# Altium PCB Slave.PcbDoc (part 3 of 11)
Units mm, origin at the board's own origin, x right, y up, seen from the top; angles counter-clockwise.
Board outline 380 x 63 mm, 4 copper layers (Top Copper, Signal Layer 1, Signal Layer 2, Bottom Copper), stack 1.586 mm thick; 256 components, 191 nets, 731 pads, 24161 vias.
Unrouted connection lines stored in the file: 14.
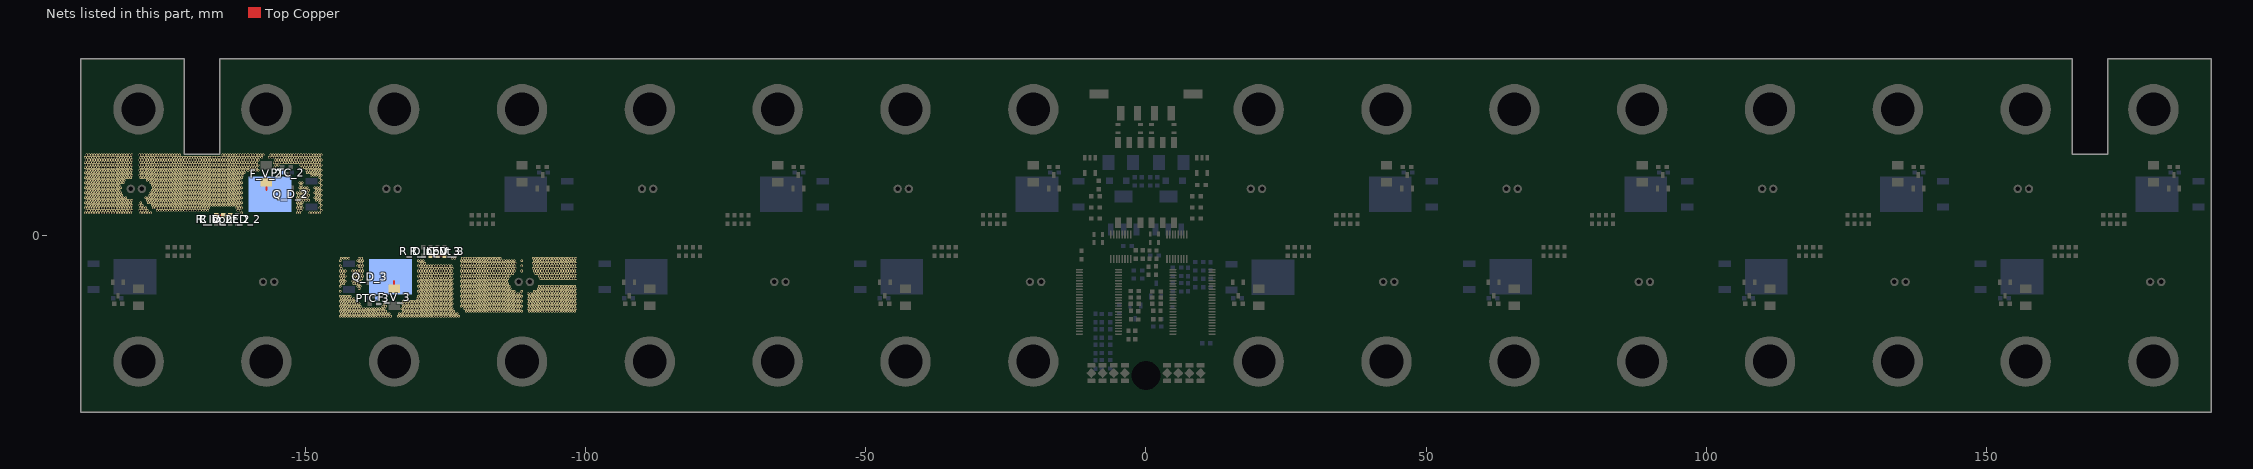
[diagram p5: the nets of this part, all layers, seen from the top]

## Via types
v1: diameter 0.45, hole 0.297, Top Copper to Bottom Copper, tented both sides, 23326 vias
v2: diameter 1, hole 0.7, Top Copper to Bottom Copper, 576 vias
v3: diameter 0.45, hole 0.2, Top Copper to Bottom Copper, 259 vias

## Nets (pads, with @x,y where several pads share a name; then routed paths per layer and width w, separated by ;. In a path a pad name is that pad's centre, name@x,y a point inside that pad or via, vN(x,y) a via of type N, cw(c..) or ccw(c..) an arc to the next point about the centre after c; other vN are vias at no path point) (continued)
F_2: C_V_2.2 F_V_2.2 PTC_2.2 Q_D_2.2 R_D_LED_2.2 R_Input_2.1 | length 3.9
  Top Copper w0.254: C_V_2.2@-165.85,3.6 R_Input_2.1@-164.6,3.6 R_D_LED_2.2@-163.35,3.6
  Top Copper w0.305: -156.875,8.1 F_V_2.2@-156.875,9.48
  other v1: -189.2,4 -188.75,4 -188.3,4 -187.85,4 -187.4,4 -186.95,4 -186.5,4 -186.05,4 -185.6,4 -185.15,4 -184.7,4 -184.25,4 -183.8,4 -183.35,4 -182.9,4 -182.45,4 -182,4 -181.55,4 -181.1,4 -179.3,4 -178.85,4 -178.4,4 -177.95,4 -177.5,4 -161.3,4 -151.4,4 -150.95,4 -149.15,4 -148.7,4 -148.25,4 -147.8,4 -147.35,4 -188.975,4.45 -188.525,4.45 -188.075,4.45 -187.625,4.45 -187.175,4.45 -186.725,4.45 -186.275,4.45 -185.825,4.45 -185.375,4.45 -184.925,4.45 -184.475,4.45 -184.025,4.45 -183.575,4.45 -183.125,4.45 -182.675,4.45 -182.225,4.45 -181.775,4.45 -181.325,4.45 -180.875,4.45 -179.525,4.45 -179.075,4.45 -178.625,4.45 -178.175,4.45 -176.375,4.45 -175.925,4.45 -175.475,4.45 -175.025,4.45 -174.575,4.45 -174.125,4.45 -173.675,4.45 -173.225,4.45 -172.775,4.45 -172.325,4.45 -171.875,4.45 -171.425,4.45 -170.975,4.45 -170.525,4.45 -170.075,4.45 -169.625,4.45 -169.175,4.45 -168.725,4.45 -168.275,4.45 -167.825,4.45 -167.375,4.45 -161.975,4.45 -161.525,4.45 -151.175,4.45 -150.725,4.45 -147.125,4.45 -189.2,4.9 -188.75,4.9 -188.3,4.9 -187.85,4.9 -187.4,4.9 -186.95,4.9 -186.5,4.9 -186.05,4.9 -185.6,4.9 -185.15,4.9 -184.7,4.9 -184.25,4.9 -183.8,4.9 -183.35,4.9 -182.9,4.9 -182.45,4.9 -182,4.9 -181.55,4.9 -181.1,4.9 -179.3,4.9 -178.85,4.9 -178.4,4.9 -177.05,4.9 -176.6,4.9 -176.15,4.9 -175.7,4.9 -175.25,4.9 -174.8,4.9 -174.35,4.9 -173.9,4.9 -173.45,4.9 -173,4.9 -172.55,4.9 -172.1,4.9 -171.65,4.9 -171.2,4.9 -170.75,4.9 -170.3,4.9 -169.85,4.9 -169.4,4.9 -168.95,4.9 -168.5,4.9 -168.05,4.9 -167.6,4.9 -167.15,4.9 -162.2,4.9 -161.75,4.9 -161.3,4.9 -151.4,4.9 -150.95,4.9 -150.5,4.9 -147.35,4.9 -188.975,5.35 -188.525,5.35 -188.075,5.35 -187.625,5.35 -187.175,5.35 -186.725,5.35 -186.275,5.35 -185.825,5.35 -185.375,5.35 -184.925,5.35 -184.475,5.35 -184.025,5.35 -183.575,5.35 -183.125,5.35 -182.675,5.35 -182.225,5.35 -181.775,5.35 -181.325,5.35 -180.875,5.35 -179.525,5.35 -179.075,5.35 -177.275,5.35 -176.825,5.35 -176.375,5.35 -175.925,5.35 -175.475,5.35 -175.025,5.35 -174.575,5.35 -174.125,5.35 -173.675,5.35 -173.225,5.35 -172.775,5.35 -172.325,5.35 -171.875,5.35 -171.425,5.35 -170.975,5.35 -170.525,5.35 -170.075,5.35 -169.625,5.35 -169.175,5.35 -168.725,5.35 -168.275,5.35 -167.825,5.35 -167.375,5.35 -166.925,5.35 -166.475,5.35 -166.025,5.35 -165.575,5.35 -165.125,5.35 -164.675,5.35 -164.225,5.35 -163.775,5.35 -163.325,5.35 -162.875,5.35 -162.425,5.35 -161.975,5.35 -161.525,5.35 -151.175,5.35 -150.725,5.35 -147.125,5.35 -189.2,5.8 -188.75,5.8 -188.3,5.8 -187.85,5.8 -187.4,5.8 -186.95,5.8 -186.5,5.8 -186.05,5.8 -185.6,5.8 -185.15,5.8 -184.7,5.8 -184.25,5.8 -183.8,5.8 -183.35,5.8 -182.9,5.8 -182.45,5.8 -182,5.8 -181.55,5.8 -181.1,5.8 -179.3,5.8 -177.95,5.8 -177.5,5.8 -177.05,5.8 -176.6,5.8 -176.15,5.8 -175.7,5.8 -175.25,5.8 -174.8,5.8 -174.35,5.8 -173.9,5.8 -173.45,5.8 -173,5.8 -172.55,5.8 -172.1,5.8 -171.65,5.8 -171.2,5.8 -170.75,5.8 -170.3,5.8 -169.85,5.8 -169.4,5.8 -168.95,5.8 -168.5,5.8 -168.05,5.8 -167.6,5.8 -167.15,5.8 -166.7,5.8 -166.25,5.8 -165.8,5.8 -165.35,5.8 -164.9,5.8 -164.45,5.8 -164,5.8 -163.55,5.8 -163.1,5.8 -162.65,5.8 -162.2,5.8 -161.75,5.8 -161.3,5.8 -151.4,5.8 -150.95,5.8 -150.5,5.8 -147.35,5.8 -188.975,6.25 -188.525,6.25 -188.075,6.25 -187.625,6.25 -187.175,6.25 -186.725,6.25 -186.275,6.25 -185.825,6.25 -185.375,6.25 -184.925,6.25 -184.475,6.25 -184.025,6.25 -183.575,6.25 -183.125,6.25 -182.675,6.25 -182.225,6.25 -181.775,6.25 -181.325,6.25 -180.875,6.25 -178.175,6.25 -177.725,6.25 -177.275,6.25 -176.825,6.25 -176.375,6.25 -175.925,6.25 -175.475,6.25 -175.025,6.25 -174.575,6.25 -174.125,6.25 -173.675,6.25 -173.225,6.25 -172.775,6.25 -172.325,6.25 -171.875,6.25 -171.425,6.25 -170.975,6.25 -170.525,6.25 -170.075,6.25 -169.625,6.25 -169.175,6.25 -168.725,6.25 -168.275,6.25 -167.825,6.25 -167.375,6.25 -166.925,6.25 -166.475,6.25 -166.025,6.25 -165.575,6.25 -165.125,6.25 -164.675,6.25 -164.225,6.25 -163.775,6.25 -163.325,6.25 -162.875,6.25 -162.425,6.25 -161.975,6.25 -161.525,6.25 -151.175,6.25 -150.725,6.25 -150.275,6.25 -149.825,6.25 -149.375,6.25 -148.025,6.25 -147.575,6.25 -147.125,6.25 -189.2,6.7 -188.75,6.7 -188.3,6.7 -187.85,6.7 -187.4,6.7 -186.95,6.7 -186.5,6.7 -186.05,6.7 -185.6,6.7 -185.15,6.7 -184.7,6.7 -184.25,6.7 -183.8,6.7 -183.35,6.7 -182.9,6.7 -182.45,6.7 -182,6.7 -178.4,6.7 -177.95,6.7 -177.5,6.7 -177.05,6.7 -176.6,6.7 -176.15,6.7 -175.7,6.7 -175.25,6.7 -174.8,6.7 -174.35,6.7 -173.9,6.7 -173.45,6.7 -173,6.7 -172.55,6.7 -172.1,6.7 -171.65,6.7 -171.2,6.7 -170.75,6.7 -170.3,6.7 -169.85,6.7 -169.4,6.7 -168.95,6.7 -168.5,6.7 -168.05,6.7 -167.6,6.7 -167.15,6.7 -166.7,6.7 -166.25,6.7 -165.8,6.7 -165.35,6.7 -164.9,6.7 -164.45,6.7 -164,6.7 -163.55,6.7 -163.1,6.7 -162.65,6.7 -162.2,6.7 -161.75,6.7 -161.3,6.7 -151.4,6.7 -150.95,6.7 -150.5,6.7 -150.05,6.7 -149.6,6.7 -148.25,6.7 -147.8,6.7 -147.35,6.7 -188.975,7.15 -188.525,7.15 -188.075,7.15 -187.625,7.15 -187.175,7.15 -186.725,7.15 -186.275,7.15 -185.825,7.15 -185.375,7.15 -184.925,7.15 -184.475,7.15 -184.025,7.15 -183.575,7.15 -183.125,7.15 -182.675,7.15 -177.725,7.15 -177.275,7.15 -176.825,7.15 -176.375,7.15 -175.925,7.15 -175.475,7.15 -175.025,7.15 -174.575,7.15 -174.125,7.15 -173.675,7.15 -173.225,7.15 -172.775,7.15 -172.325,7.15 -171.875,7.15 -171.425,7.15 -170.975,7.15 -170.525,7.15 -170.075,7.15 -169.625,7.15 -169.175,7.15 -168.725,7.15 -168.275,7.15 -167.825,7.15 -167.375,7.15 -166.925,7.15 -166.475,7.15 -166.025,7.15 -165.575,7.15 -165.125,7.15 -164.675,7.15 -164.225,7.15 -163.775,7.15 -163.325,7.15 -162.875,7.15 -162.425,7.15 -161.975,7.15 -161.525,7.15 -151.175,7.15 -150.725,7.15 -150.275,7.15 -149.825,7.15 -149.375,7.15 -148.025,7.15 -147.575,7.15 -147.125,7.15 -189.2,7.6 -188.75,7.6 -188.3,7.6 -187.85,7.6 -187.4,7.6 -186.95,7.6 -186.5,7.6 -186.05,7.6 -185.6,7.6 -185.15,7.6 -184.7,7.6 -184.25,7.6 -183.8,7.6 -183.35,7.6 -182.9,7.6 -177.5,7.6 -177.05,7.6 -176.6,7.6 -176.15,7.6 -175.7,7.6 -175.25,7.6 -174.8,7.6 -174.35,7.6 -173.9,7.6 -173.45,7.6 -173,7.6 -172.55,7.6 -172.1,7.6 -171.65,7.6 -171.2,7.6 -170.75,7.6 -170.3,7.6 -169.85,7.6 -169.4,7.6 -168.95,7.6 -168.5,7.6 -168.05,7.6 -167.6,7.6 -167.15,7.6 -166.7,7.6 -166.25,7.6 -165.8,7.6 -165.35,7.6 -164.9,7.6 -164.45,7.6 -164,7.6 -163.55,7.6 -163.1,7.6 -162.65,7.6 -162.2,7.6 -161.75,7.6 -161.3,7.6 -151.4,7.6 -150.95,7.6 -150.5,7.6 -150.05,7.6 -149.6,7.6 -148.25,7.6 -147.8,7.6 -147.35,7.6 -188.975,8.05 -188.525,8.05 -188.075,8.05 -187.625,8.05 -187.175,8.05 -186.725,8.05 -186.275,8.05 -185.825,8.05 -185.375,8.05 -184.925,8.05 -184.475,8.05 -184.025,8.05 -183.575,8.05 -183.125,8.05 -177.275,8.05 -176.825,8.05 -176.375,8.05 -175.925,8.05 -175.475,8.05 -175.025,8.05 -174.575,8.05 -174.125,8.05 -173.675,8.05 -173.225,8.05 -172.775,8.05 -172.325,8.05 -171.875,8.05 -171.425,8.05 -170.975,8.05 -170.525,8.05 -170.075,8.05 -169.625,8.05 -169.175,8.05 -168.725,8.05 -168.275,8.05 -167.825,8.05 -167.375,8.05 -166.925,8.05 -166.475,8.05 -166.025,8.05 -165.575,8.05 -165.125,8.05 -164.675,8.05 -164.225,8.05 -163.775,8.05 -163.325,8.05 -162.875,8.05 -162.425,8.05 -161.975,8.05 -161.525,8.05 -150.725,8.05 -150.275,8.05 -149.825,8.05 -149.375,8.05 -148.025,8.05 -147.575,8.05 -147.125,8.05 -189.2,8.5 -188.75,8.5 -188.3,8.5 -187.85,8.5 -187.4,8.5 -186.95,8.5 -186.5,8.5 -186.05,8.5 -185.6,8.5 -185.15,8.5 -184.7,8.5 -184.25,8.5 -183.8,8.5 -183.35,8.5 -182.9,8.5 -177.05,8.5 -176.6,8.5 -176.15,8.5 -175.7,8.5 -175.25,8.5 -174.8,8.5 -174.35,8.5 -173.9,8.5 -173.45,8.5 -173,8.5 -172.55,8.5 -172.1,8.5 -171.65,8.5 -171.2,8.5 -170.75,8.5 -170.3,8.5 -169.85,8.5 -169.4,8.5 -168.95,8.5 -168.5,8.5 -168.05,8.5 -167.6,8.5 -167.15,8.5 -166.7,8.5 -166.25,8.5 -165.8,8.5 -165.35,8.5 -164.9,8.5 -164.45,8.5 -164,8.5 -163.55,8.5 -163.1,8.5 -162.65,8.5 -162.2,8.5 -161.75,8.5 -161.3,8.5 -150.95,8.5 -150.5,8.5 -150.05,8.5 -149.6,8.5 -148.25,8.5 -147.8,8.5 -147.35,8.5 -188.975,8.95 -188.525,8.95 -188.075,8.95 -187.625,8.95 -187.175,8.95 -186.725,8.95 -186.275,8.95 -185.825,8.95 -185.375,8.95 -184.925,8.95 -184.475,8.95 -184.025,8.95 -183.575,8.95 -183.125,8.95 -177.275,8.95 -176.825,8.95 -176.375,8.95 -175.925,8.95 -175.475,8.95 -175.025,8.95 -174.575,8.95 -174.125,8.95 -173.675,8.95 -173.225,8.95 -172.775,8.95 -172.325,8.95 -171.875,8.95 -171.425,8.95 -170.975,8.95 -170.525,8.95 -170.075,8.95 -169.625,8.95 -169.175,8.95 -168.725,8.95 -168.275,8.95 -167.825,8.95 -167.375,8.95 -166.925,8.95 -166.475,8.95 -166.025,8.95 -165.575,8.95 -165.125,8.95 -164.675,8.95 -164.225,8.95 -163.775,8.95 -163.325,8.95 -162.875,8.95 -162.425,8.95 -161.975,8.95 -161.525,8.95 -150.725,8.95 -147.125,8.95 -189.2,9.4 -188.75,9.4 -188.3,9.4 -187.85,9.4 -187.4,9.4 -186.95,9.4 -186.5,9.4 -186.05,9.4 -185.6,9.4 -185.15,9.4 -184.7,9.4 -184.25,9.4 -183.8,9.4 -183.35,9.4 -182.9,9.4 -182.45,9.4 -177.5,9.4 -177.05,9.4 -176.6,9.4 -176.15,9.4 -175.7,9.4 -175.25,9.4 -174.8,9.4 -174.35,9.4 -173.9,9.4 -173.45,9.4 -173,9.4 -172.55,9.4 -172.1,9.4 -171.65,9.4 -171.2,9.4 -170.75,9.4 -170.3,9.4 -169.85,9.4 -169.4,9.4 -168.95,9.4 -168.5,9.4 -168.05,9.4 -167.6,9.4 -167.15,9.4 -166.7,9.4 -166.25,9.4 -165.8,9.4 -165.35,9.4 -164.9,9.4 -164.45,9.4 -164,9.4 -163.55,9.4 -163.1,9.4 -162.65,9.4 -162.2,9.4 -161.75,9.4 -161.3,9.4 -150.95,9.4 -150.5,9.4 -147.35,9.4 -188.975,9.85 -188.525,9.85 -188.075,9.85 -187.625,9.85 -187.175,9.85 -186.725,9.85 -186.275,9.85 -185.825,9.85 -185.375,9.85 -184.925,9.85 -184.475,9.85 -184.025,9.85 -183.575,9.85 -183.125,9.85 -182.675,9.85 -182.225,9.85 -178.175,9.85 -177.725,9.85 -177.275,9.85 -176.825,9.85 -176.375,9.85 -175.925,9.85 -175.475,9.85 -175.025,9.85 -174.575,9.85 -174.125,9.85 -173.675,9.85 -173.225,9.85 -172.775,9.85 -172.325,9.85 -171.875,9.85 -171.425,9.85 -170.975,9.85 -170.525,9.85 -170.075,9.85 -169.625,9.85 -169.175,9.85 -168.725,9.85 -168.275,9.85 -167.825,9.85 -167.375,9.85 -166.925,9.85 -166.475,9.85 -166.025,9.85 -165.575,9.85 -165.125,9.85 -164.675,9.85 -164.225,9.85 -163.775,9.85 -163.325,9.85 -162.875,9.85 -162.425,9.85 -161.975,9.85 -161.525,9.85 -147.125,9.85 -189.2,10.3 -188.75,10.3 -188.3,10.3 -187.85,10.3 -187.4,10.3 -186.95,10.3 -186.5,10.3 -186.05,10.3 -185.6,10.3 -185.15,10.3 -184.7,10.3 -184.25,10.3 -183.8,10.3 -183.35,10.3 -182.9,10.3 -182.45,10.3 -182,10.3 -181.55,10.3 -181.1,10.3 -179.3,10.3 -178.85,10.3 -178.4,10.3 -177.95,10.3 -177.5,10.3 -177.05,10.3 -176.6,10.3 -176.15,10.3 -175.7,10.3 -175.25,10.3 -174.8,10.3 -174.35,10.3 -173.9,10.3 -173.45,10.3 -173,10.3 -172.55,10.3 -172.1,10.3 -171.65,10.3 -171.2,10.3 -170.75,10.3 -170.3,10.3 -169.85,10.3 -169.4,10.3 -168.95,10.3 -168.5,10.3 -168.05,10.3 -167.6,10.3 -167.15,10.3 -166.7,10.3 -166.25,10.3 -165.8,10.3 -165.35,10.3 -164.9,10.3 -164.45,10.3 -164,10.3 -163.55,10.3 -163.1,10.3 -162.65,10.3 -162.2,10.3 -161.75,10.3 -161.3,10.3 -147.35,10.3 -188.975,10.75 -188.525,10.75 -188.075,10.75 -187.625,10.75 -187.175,10.75 -186.725,10.75 -186.275,10.75 -185.825,10.75 -185.375,10.75 -184.925,10.75 -184.475,10.75 -184.025,10.75 -183.575,10.75 -183.125,10.75 -182.675,10.75 -182.225,10.75 -181.775,10.75 -181.325,10.75 -180.875,10.75 -179.525,10.75 -179.075,10.75 -178.625,10.75 -178.175,10.75 -177.725,10.75 -177.275,10.75 -176.825,10.75 -176.375,10.75 -175.925,10.75 -175.475,10.75 -175.025,10.75 -174.575,10.75 -174.125,10.75 -173.675,10.75 -173.225,10.75 -172.775,10.75 -172.325,10.75 -171.875,10.75 -171.425,10.75 -170.975,10.75 -170.525,10.75 -170.075,10.75 -169.625,10.75 -169.175,10.75 -168.725,10.75 -168.275,10.75 -167.825,10.75 -167.375,10.75 -166.925,10.75 -166.475,10.75 -166.025,10.75 -165.575,10.75 -165.125,10.75 -164.675,10.75 -164.225,10.75 -163.775,10.75 -163.325,10.75 -162.875,10.75 -162.425,10.75 -161.975,10.75 -161.525,10.75 -161.075,10.75 -148.925,10.75 -148.475,10.75 -148.025,10.75 -147.575,10.75 -147.125,10.75 -189.2,11.2 -188.75,11.2 -188.3,11.2 -187.85,11.2 -187.4,11.2 -186.95,11.2 -186.5,11.2 -186.05,11.2 -185.6,11.2 -185.15,11.2 -184.7,11.2 -184.25,11.2 -183.8,11.2 -183.35,11.2 -182.9,11.2 -182.45,11.2 -182,11.2 -181.55,11.2 -181.1,11.2 -179.3,11.2 -178.85,11.2 -178.4,11.2 -177.95,11.2 -177.5,11.2 -177.05,11.2 -176.6,11.2 -176.15,11.2 -175.7,11.2 -175.25,11.2 -174.8,11.2 -174.35,11.2 -173.9,11.2 -173.45,11.2 -173,11.2 -172.55,11.2 -172.1,11.2 -171.65,11.2 -171.2,11.2 -170.75,11.2 -170.3,11.2 -169.85,11.2 -169.4,11.2 -168.95,11.2 -168.5,11.2 -168.05,11.2 -167.6,11.2 -167.15,11.2 -166.7,11.2 -166.25,11.2 -165.8,11.2 -165.35,11.2 -164.9,11.2 -164.45,11.2 -164,11.2 -163.55,11.2 -163.1,11.2 -162.65,11.2 -162.2,11.2 -161.75,11.2 -161.3,11.2 -160.85,11.2 -149.6,11.2 -149.15,11.2 -148.7,11.2 -148.25,11.2 -147.8,11.2 -147.35,11.2 -188.975,11.65 -188.525,11.65 -188.075,11.65 -187.625,11.65 -187.175,11.65 -186.725,11.65 -186.275,11.65 -185.825,11.65 -185.375,11.65 -184.925,11.65 -184.475,11.65 -184.025,11.65 -183.575,11.65 -183.125,11.65 -182.675,11.65 -182.225,11.65 -181.775,11.65 -181.325,11.65 -180.875,11.65 -179.525,11.65 -179.075,11.65 -178.625,11.65 -178.175,11.65 -177.725,11.65 -177.275,11.65 -176.825,11.65 -176.375,11.65 -175.925,11.65 -175.475,11.65 -175.025,11.65 -174.575,11.65 -174.125,11.65 -173.675,11.65 -173.225,11.65 -172.775,11.65 -172.325,11.65 -171.875,11.65 -171.425,11.65 -170.975,11.65 -170.525,11.65 -170.075,11.65 -169.625,11.65 -169.175,11.65 -168.725,11.65 -168.275,11.65 -167.825,11.65 -167.375,11.65 -166.925,11.65 -166.475,11.65 -166.025,11.65 -165.575,11.65 -165.125,11.65 -164.675,11.65 -164.225,11.65 -163.775,11.65 -163.325,11.65 -162.875,11.65 -162.425,11.65 -161.975,11.65 -161.525,11.65 -161.075,11.65 -160.625,11.65 -160.175,11.65 -159.725,11.65 -159.275,11.65 -158.825,11.65 -158.375,11.65 -149.825,11.65 -149.375,11.65 -148.925,11.65 -148.475,11.65 -148.025,11.65 -147.575,11.65 -147.125,11.65 -189.2,12.1 -188.75,12.1 -188.3,12.1 -187.85,12.1 -187.4,12.1 -186.95,12.1 -186.5,12.1 -186.05,12.1 -185.6,12.1 -185.15,12.1 -184.7,12.1 -184.25,12.1 -183.8,12.1 -183.35,12.1 -182.9,12.1 -182.45,12.1 -182,12.1 -181.55,12.1 -181.1,12.1 -179.3,12.1 -178.85,12.1 -178.4,12.1 -177.95,12.1 -177.5,12.1 -177.05,12.1 -176.6,12.1 -176.15,12.1 -175.7,12.1 -175.25,12.1 -174.8,12.1 -174.35,12.1 -173.9,12.1 -173.45,12.1 -173,12.1 -172.55,12.1 -172.1,12.1 -171.65,12.1 -171.2,12.1 -170.75,12.1 -170.3,12.1 -169.85,12.1 -169.4,12.1 -168.95,12.1 -168.5,12.1 -168.05,12.1 -167.6,12.1 -167.15,12.1 -166.7,12.1 -166.25,12.1 -165.8,12.1 -165.35,12.1 -164.9,12.1 -164.45,12.1 -164,12.1 -163.55,12.1 -163.1,12.1 -162.65,12.1 -162.2,12.1 -161.75,12.1 -161.3,12.1 -160.85,12.1 -160.4,12.1 -159.95,12.1 -159.5,12.1 -159.05,12.1 -158.6,12.1 -155.45,12.1 -150.5,12.1 -150.05,12.1 -149.6,12.1 -149.15,12.1 -148.7,12.1 -148.25,12.1 -147.8,12.1 -147.35,12.1 -188.975,12.55 -188.525,12.55 -188.075,12.55 -187.625,12.55 -187.175,12.55 -186.725,12.55 -186.275,12.55 -185.825,12.55 -185.375,12.55 -184.925,12.55 -184.475,12.55 -184.025,12.55 -183.575,12.55 -183.125,12.55 -182.675,12.55 -182.225,12.55 -181.775,12.55 -181.325,12.55 -180.875,12.55 -179.525,12.55 -179.075,12.55 -178.625,12.55 -178.175,12.55 -177.725,12.55 -177.275,12.55 -176.825,12.55 -176.375,12.55 -175.925,12.55 -175.475,12.55 -175.025,12.55 -174.575,12.55 -174.125,12.55 -173.675,12.55 -173.225,12.55 -172.775,12.55 -172.325,12.55 -171.875,12.55 -171.425,12.55 -170.975,12.55 -170.525,12.55 -170.075,12.55 -169.625,12.55 -169.175,12.55 -168.725,12.55 -168.275,12.55 -167.825,12.55 -167.375,12.55 -166.925,12.55 -166.475,12.55 -166.025,12.55 -165.575,12.55 -165.125,12.55 -164.675,12.55 -164.225,12.55 -163.775,12.55 -163.325,12.55 -162.875,12.55 -162.425,12.55 -161.975,12.55 -161.525,12.55 -161.075,12.55 -160.625,12.55 -160.175,12.55 -159.725,12.55 -159.275,12.55 -158.825,12.55 -158.375,12.55 -155.225,12.55 -154.775,12.55 -150.725,12.55 -150.275,12.55 -149.825,12.55 -149.375,12.55 -148.925,12.55 -148.475,12.55 -148.025,12.55 -147.575,12.55 -147.125,12.55 -189.2,13 -188.75,13 -188.3,13 -187.85,13 -187.4,13 -186.95,13 -186.5,13 -186.05,13 -185.6,13 -185.15,13 -184.7,13 -184.25,13 -183.8,13 -183.35,13 -182.9,13 -182.45,13 -182,13 -181.55,13 -181.1,13 -179.3,13 -178.85,13 -178.4,13 -177.95,13 -177.5,13 -177.05,13 -176.6,13 -176.15,13 -175.7,13 -175.25,13 -174.8,13 -174.35,13 -173.9,13 -173.45,13 -173,13 -172.55,13 -172.1,13 -171.65,13 -171.2,13 -170.75,13 -170.3,13 -169.85,13 -169.4,13 -168.95,13 -168.5,13 -168.05,13 -167.6,13 -167.15,13 -166.7,13 -166.25,13 -165.8,13 -165.35,13 -164.9,13 -164.45,13 -164,13 -163.55,13 -163.1,13 -162.65,13 -162.2,13 -161.75,13 -161.3,13 -160.85,13 -160.4,13 -159.95,13 -159.5,13 -159.05,13 -158.6,13 -155.45,13 -155,13 -154.55,13 -154.1,13 -153.65,13 -153.2,13 -152.75,13 -152.3,13 -151.85,13 -151.4,13 -150.95,13 -150.5,13 -150.05,13 -149.6,13 -149.15,13 -148.7,13 -148.25,13 -147.8,13 -147.35,13 -188.975,13.45 -188.525,13.45 -188.075,13.45 -187.625,13.45 -187.175,13.45 -186.725,13.45 -186.275,13.45 -185.825,13.45 -185.375,13.45 -184.925,13.45 -184.475,13.45 -184.025,13.45 -183.575,13.45 -183.125,13.45 -182.675,13.45 -182.225,13.45 -181.775,13.45 -181.325,13.45 -180.875,13.45 -179.525,13.45 -179.075,13.45 -178.625,13.45 -178.175,13.45 -177.725,13.45 -177.275,13.45 -176.825,13.45 -176.375,13.45 -175.925,13.45 -175.475,13.45 -175.025,13.45 -174.575,13.45 -174.125,13.45 -173.675,13.45 -173.225,13.45 -172.775,13.45 -172.325,13.45 -171.875,13.45 -171.425,13.45 -170.975,13.45 -170.525,13.45 -170.075,13.45 -169.625,13.45 -169.175,13.45 -168.725,13.45 -168.275,13.45 -167.825,13.45 -167.375,13.45 -166.925,13.45 -166.475,13.45 -166.025,13.45 -165.575,13.45 -165.125,13.45 -164.675,13.45 -164.225,13.45 -163.775,13.45 -163.325,13.45 -162.875,13.45 -162.425,13.45 -161.975,13.45 -161.525,13.45 -161.075,13.45 -160.625,13.45 -160.175,13.45 -159.725,13.45 -159.275,13.45 -158.825,13.45 -158.375,13.45 -155.225,13.45 -154.775,13.45 -154.325,13.45 -153.875,13.45 -153.425,13.45 -152.975,13.45 -152.525,13.45 -152.075,13.45 -151.625,13.45 -151.175,13.45 -150.725,13.45 -150.275,13.45 -149.825,13.45 -149.375,13.45 -148.925,13.45 -148.475,13.45 -148.025,13.45 -147.575,13.45 -147.125,13.45 -189.2,13.9 -188.75,13.9 -188.3,13.9 -187.85,13.9 -187.4,13.9 -186.95,13.9 -186.5,13.9 -186.05,13.9 -185.6,13.9 -185.15,13.9 -184.7,13.9 -184.25,13.9 -183.8,13.9 -183.35,13.9 -182.9,13.9 -182.45,13.9 -182,13.9 -181.55,13.9 -181.1,13.9 -179.3,13.9 -178.85,13.9 -178.4,13.9 -177.95,13.9 -177.5,13.9 -177.05,13.9 -176.6,13.9 -176.15,13.9 -175.7,13.9 -175.25,13.9 -174.8,13.9 -174.35,13.9 -173.9,13.9 -173.45,13.9 -173,13.9 -172.55,13.9 -172.1,13.9 -171.65,13.9 -171.2,13.9 -170.75,13.9 -170.3,13.9 -169.85,13.9 -169.4,13.9 -168.95,13.9 -168.5,13.9 -168.05,13.9 -167.6,13.9 -167.15,13.9 -166.7,13.9 -166.25,13.9 -165.8,13.9 -165.35,13.9 -164.9,13.9 -164.45,13.9 -164,13.9 -163.55,13.9 -163.1,13.9 -162.65,13.9 -162.2,13.9 -161.75,13.9 -161.3,13.9 -160.85,13.9 -160.4,13.9 -159.95,13.9 -159.5,13.9 -159.05,13.9 -158.6,13.9 -158.15,13.9 -157.7,13.9 -156.35,13.9 -155.9,13.9 -155.45,13.9 -155,13.9 -154.55,13.9 -154.1,13.9 -153.65,13.9 -153.2,13.9 -152.75,13.9 -152.3,13.9 -151.85,13.9 -151.4,13.9 -150.95,13.9 -150.5,13.9 -150.05,13.9 -149.6,13.9 -149.15,13.9 -148.7,13.9 -148.25,13.9 -147.8,13.9 -147.35,13.9 -188.975,14.35 -188.525,14.35 -188.075,14.35 -187.625,14.35 -187.175,14.35 -186.725,14.35 -186.275,14.35 -185.825,14.35 -185.375,14.35 -184.925,14.35 -184.475,14.35 -184.025,14.35 -183.575,14.35 -183.125,14.35 -182.675,14.35 -182.225,14.35 -181.775,14.35 -181.325,14.35 -180.875,14.35 -179.525,14.35 -179.075,14.35 -178.625,14.35 -178.175,14.35 -177.725,14.35 -177.275,14.35 -176.825,14.35 -176.375,14.35 -175.925,14.35 -175.475,14.35 -175.025,14.35 -174.575,14.35 -174.125,14.35 -173.675,14.35 -173.225,14.35 -172.775,14.35 -172.325,14.35 -164.675,14.35 -164.225,14.35 -163.775,14.35 -163.325,14.35 -162.875,14.35 -162.425,14.35 -161.975,14.35 -161.525,14.35 -161.075,14.35 -160.625,14.35 -160.175,14.35 -159.725,14.35 -159.275,14.35 -158.825,14.35 -158.375,14.35 -157.925,14.35 -157.475,14.35 -156.125,14.35 -155.675,14.35 -155.225,14.35 -154.775,14.35 -154.325,14.35 -153.875,14.35 -153.425,14.35 -152.975,14.35 -152.525,14.35 -152.075,14.35 -151.625,14.35 -151.175,14.35 -150.725,14.35 -150.275,14.35 -149.825,14.35 -149.375,14.35 -148.925,14.35 -148.475,14.35 -148.025,14.35 -147.575,14.35 -147.125,14.35
F_3: C_V_3.2 F_V_3.2 PTC_3.2 Q_D_3.2 R_D_LED_3.2 R_Input_3.1 | length 3.9
  Top Copper w0.254: R_D_LED_3.2@-127.65,-3.6 R_Input_3.1@-126.4,-3.6 C_V_3.2@-125.15,-3.6
  Top Copper w0.305: F_V_3.2@-134.125,-9.48 -134.125,-8.1
  other v1: -143.75,-14.45 -143.3,-14.45 -142.85,-14.45 -142.4,-14.45 -141.95,-14.45 -141.5,-14.45 -141.05,-14.45 -140.6,-14.45 -140.15,-14.45 -139.7,-14.45 -139.25,-14.45 -138.8,-14.45 -138.35,-14.45 -137.9,-14.45 -137.45,-14.45 -137,-14.45 -136.55,-14.45 -136.1,-14.45 -135.65,-14.45 -135.2,-14.45 -134.75,-14.45 -133.4,-14.45 -132.95,-14.45 -132.5,-14.45 -132.05,-14.45 -131.6,-14.45 -131.15,-14.45 -130.7,-14.45 -130.25,-14.45 -129.8,-14.45 -129.35,-14.45 -128.9,-14.45 -128.45,-14.45 -128,-14.45 -127.55,-14.45 -127.1,-14.45 -126.65,-14.45 -126.2,-14.45 -125.75,-14.45 -125.3,-14.45 -124.85,-14.45 -124.4,-14.45 -123.95,-14.45 -123.5,-14.45 -123.05,-14.45 -122.6,-14.45 -143.525,-14 -143.075,-14 -142.625,-14 -142.175,-14 -141.725,-14 -141.275,-14 -140.825,-14 -140.375,-14 -139.925,-14 -139.475,-14 -139.025,-14 -138.575,-14 -138.125,-14 -137.675,-14 -137.225,-14 -136.775,-14 -136.325,-14 -135.875,-14 -135.425,-14 -134.975,-14 -133.175,-14 -132.725,-14 -132.275,-14 -131.825,-14 -131.375,-14 -130.925,-14 -130.475,-14 -130.025,-14 -129.575,-14 -129.125,-14 -128.675,-14 -128.225,-14 -127.775,-14 -127.325,-14 -126.875,-14 -126.425,-14 -125.975,-14 -125.525,-14 -125.075,-14 -124.625,-14 -124.175,-14 -123.725,-14 -123.275,-14 -122.825,-14 -143.75,-13.55 -143.3,-13.55 -142.85,-13.55 -142.4,-13.55 -141.95,-13.55 -141.5,-13.55 -141.05,-13.55 -140.6,-13.55 -140.15,-13.55 -139.7,-13.55 -139.25,-13.55 -138.8,-13.55 -138.35,-13.55 -137.9,-13.55 -137.45,-13.55 -137,-13.55 -136.55,-13.55 -136.1,-13.55 -135.65,-13.55 -132.5,-13.55 -132.05,-13.55 -131.6,-13.55 -131.15,-13.55 -130.7,-13.55 -130.25,-13.55 -129.8,-13.55 -129.35,-13.55 -128.9,-13.55 -128.45,-13.55 -128,-13.55 -127.55,-13.55 -127.1,-13.55 -126.65,-13.55 -126.2,-13.55 -125.75,-13.55 -125.3,-13.55 -124.85,-13.55 -124.4,-13.55 -123.95,-13.55 -123.5,-13.55 -121.25,-13.55 -120.8,-13.55 -120.35,-13.55 -119.9,-13.55 -119.45,-13.55 -119,-13.55 -118.55,-13.55 -118.1,-13.55 -117.65,-13.55 -117.2,-13.55 -116.75,-13.55 -116.3,-13.55 -115.85,-13.55 -115.4,-13.55 -114.95,-13.55 -114.5,-13.55 -114.05,-13.55 -113.6,-13.55 -113.15,-13.55 -112.7,-13.55 -112.25,-13.55 -111.8,-13.55 -111.35,-13.55 -110,-13.55 -109.55,-13.55 -109.1,-13.55 -108.65,-13.55 -108.2,-13.55 -107.75,-13.55 -107.3,-13.55 -106.85,-13.55 -106.4,-13.55 -105.95,-13.55 -105.5,-13.55 -105.05,-13.55 -104.6,-13.55 -104.15,-13.55 -103.7,-13.55 -103.25,-13.55 -102.8,-13.55 -102.35,-13.55 -101.9,-13.55 -143.525,-13.1 -143.075,-13.1 -142.625,-13.1 -142.175,-13.1 -141.725,-13.1 -141.275,-13.1 -140.825,-13.1 -140.375,-13.1 -139.925,-13.1 -139.475,-13.1 -139.025,-13.1 -138.575,-13.1 -138.125,-13.1 -137.675,-13.1 -137.225,-13.1 -136.775,-13.1 -136.325,-13.1 -135.875,-13.1 -132.725,-13.1 -132.275,-13.1 -131.825,-13.1 -131.375,-13.1 -130.925,-13.1 -130.475,-13.1 -130.025,-13.1 -129.575,-13.1 -129.125,-13.1 -128.675,-13.1 -128.225,-13.1 -127.775,-13.1 -127.325,-13.1 -126.875,-13.1 -126.425,-13.1 -125.975,-13.1 -125.525,-13.1 -125.075,-13.1 -124.625,-13.1 -124.175,-13.1 -123.725,-13.1 -121.475,-13.1 -121.025,-13.1 -120.575,-13.1 -120.125,-13.1 -119.675,-13.1 -119.225,-13.1 -118.775,-13.1 -118.325,-13.1 -117.875,-13.1 -117.425,-13.1 -116.975,-13.1 -116.525,-13.1 -116.075,-13.1 -115.625,-13.1 -115.175,-13.1 -114.725,-13.1 -114.275,-13.1 -113.825,-13.1 -113.375,-13.1 -112.925,-13.1 -112.475,-13.1 -112.025,-13.1 -111.575,-13.1 -110.225,-13.1 -109.775,-13.1 -109.325,-13.1 -108.875,-13.1 -108.425,-13.1 -107.975,-13.1 -107.525,-13.1 -107.075,-13.1 -106.625,-13.1 -106.175,-13.1 -105.725,-13.1 -105.275,-13.1 -104.825,-13.1 -104.375,-13.1 -103.925,-13.1 -103.475,-13.1 -103.025,-13.1 -102.575,-13.1 -102.125,-13.1 -101.675,-13.1 -143.75,-12.65 -143.3,-12.65 -142.85,-12.65 -142.4,-12.65 -141.95,-12.65 -141.5,-12.65 -141.05,-12.65 -140.6,-12.65 -140.15,-12.65 -136.1,-12.65 -135.65,-12.65 -132.5,-12.65 -132.05,-12.65 -131.6,-12.65 -131.15,-12.65 -130.7,-12.65 -130.25,-12.65 -129.8,-12.65 -129.35,-12.65 -128.9,-12.65 -128.45,-12.65 -128,-12.65 -127.55,-12.65 -127.1,-12.65 -126.65,-12.65 -126.2,-12.65 -125.75,-12.65 -125.3,-12.65 -124.85,-12.65 -124.4,-12.65 -123.95,-12.65 -122.15,-12.65 -121.7,-12.65 -121.25,-12.65 -120.8,-12.65 -120.35,-12.65 -119.9,-12.65 -119.45,-12.65 -119,-12.65 -118.55,-12.65 -118.1,-12.65 -117.65,-12.65 -117.2,-12.65 -116.75,-12.65 -116.3,-12.65 -115.85,-12.65 -115.4,-12.65 -114.95,-12.65 -114.5,-12.65 -114.05,-12.65 -113.6,-12.65 -113.15,-12.65 -112.7,-12.65 -112.25,-12.65 -111.8,-12.65 -111.35,-12.65 -110,-12.65 -109.55,-12.65 -109.1,-12.65 -108.65,-12.65 -108.2,-12.65 -107.75,-12.65 -107.3,-12.65 -106.85,-12.65 -106.4,-12.65 -105.95,-12.65 -105.5,-12.65 -105.05,-12.65 -104.6,-12.65 -104.15,-12.65 -103.7,-12.65 -103.25,-12.65 -102.8,-12.65 -102.35,-12.65 -101.9,-12.65 -143.525,-12.2 -143.075,-12.2 -142.625,-12.2 -142.175,-12.2 -141.725,-12.2 -141.275,-12.2 -140.825,-12.2 -140.375,-12.2 -135.875,-12.2 -132.725,-12.2 -132.275,-12.2 -131.825,-12.2 -131.375,-12.2 -130.925,-12.2 -130.475,-12.2 -130.025,-12.2 -129.575,-12.2 -129.125,-12.2 -128.675,-12.2 -128.225,-12.2 -127.775,-12.2 -127.325,-12.2 -126.875,-12.2 -126.425,-12.2 -125.975,-12.2 -125.525,-12.2 -125.075,-12.2 -124.625,-12.2 -124.175,-12.2 -123.725,-12.2 -121.925,-12.2 -121.475,-12.2 -121.025,-12.2 -120.575,-12.2 -120.125,-12.2 -119.675,-12.2 -119.225,-12.2 -118.775,-12.2 -118.325,-12.2 -117.875,-12.2 -117.425,-12.2 -116.975,-12.2 -116.525,-12.2 -116.075,-12.2 -115.625,-12.2 -115.175,-12.2 -114.725,-12.2 -114.275,-12.2 -113.825,-12.2 -113.375,-12.2 -112.925,-12.2 -112.475,-12.2 -112.025,-12.2 -111.575,-12.2 -110.225,-12.2 -109.775,-12.2 -109.325,-12.2 -108.875,-12.2 -108.425,-12.2 -107.975,-12.2 -107.525,-12.2 -107.075,-12.2 -106.625,-12.2 -106.175,-12.2 -105.725,-12.2 -105.275,-12.2 -104.825,-12.2 -104.375,-12.2 -103.925,-12.2 -103.475,-12.2 -103.025,-12.2 -102.575,-12.2 -102.125,-12.2 -101.675,-12.2 -143.75,-11.75 -143.3,-11.75 -142.85,-11.75 -142.4,-11.75 -141.95,-11.75 -141.5,-11.75 -141.05,-11.75 -135.65,-11.75 -132.5,-11.75 -132.05,-11.75 -131.6,-11.75 -131.15,-11.75 -130.7,-11.75 -130.25,-11.75 -129.8,-11.75 -129.35,-11.75 -128.9,-11.75 -128.45,-11.75 -128,-11.75 -127.55,-11.75 -127.1,-11.75 -126.65,-11.75 -126.2,-11.75 -125.75,-11.75 -125.3,-11.75 -124.85,-11.75 -124.4,-11.75 -123.95,-11.75 -122.15,-11.75 -121.7,-11.75 -121.25,-11.75 -120.8,-11.75 -120.35,-11.75 -119.9,-11.75 -119.45,-11.75 -119,-11.75 -118.55,-11.75 -118.1,-11.75 -117.65,-11.75 -117.2,-11.75 -116.75,-11.75 -116.3,-11.75 -115.85,-11.75 -115.4,-11.75 -114.95,-11.75 -114.5,-11.75 -114.05,-11.75 -113.6,-11.75 -113.15,-11.75 -112.7,-11.75 -112.25,-11.75 -111.8,-11.75 -111.35,-11.75 -110,-11.75 -109.55,-11.75 -109.1,-11.75 -108.65,-11.75 -108.2,-11.75 -107.75,-11.75 -107.3,-11.75 -106.85,-11.75 -106.4,-11.75 -105.95,-11.75 -105.5,-11.75 -105.05,-11.75 -104.6,-11.75 -104.15,-11.75 -103.7,-11.75 -103.25,-11.75 -102.8,-11.75 -102.35,-11.75 -101.9,-11.75 -143.525,-11.3 -143.075,-11.3 -142.625,-11.3 -142.175,-11.3 -141.725,-11.3 -141.275,-11.3 -130.025,-11.3 -129.575,-11.3 -129.125,-11.3 -128.675,-11.3 -128.225,-11.3 -127.775,-11.3 -127.325,-11.3 -126.875,-11.3 -126.425,-11.3 -125.975,-11.3 -125.525,-11.3 -125.075,-11.3 -124.625,-11.3 -124.175,-11.3 -123.725,-11.3 -121.925,-11.3 -121.475,-11.3 -121.025,-11.3 -120.575,-11.3 -120.125,-11.3 -119.675,-11.3 -119.225,-11.3 -118.775,-11.3 -118.325,-11.3 -117.875,-11.3 -117.425,-11.3 -116.975,-11.3 -116.525,-11.3 -116.075,-11.3 -115.625,-11.3 -115.175,-11.3 -114.725,-11.3 -114.275,-11.3 -113.825,-11.3 -113.375,-11.3 -112.925,-11.3 -112.475,-11.3 -112.025,-11.3 -111.575,-11.3 -110.225,-11.3 -109.775,-11.3 -109.325,-11.3 -108.875,-11.3 -108.425,-11.3 -107.975,-11.3 -107.525,-11.3 -107.075,-11.3 -106.625,-11.3 -106.175,-11.3 -105.725,-11.3 -105.275,-11.3 -104.825,-11.3 -104.375,-11.3 -103.925,-11.3 -103.475,-11.3 -103.025,-11.3 -102.575,-11.3 -102.125,-11.3 -101.675,-11.3 -143.75,-10.85 -143.3,-10.85 -142.85,-10.85 -142.4,-10.85 -141.95,-10.85 -129.8,-10.85 -129.35,-10.85 -128.9,-10.85 -128.45,-10.85 -128,-10.85 -127.55,-10.85 -127.1,-10.85 -126.65,-10.85 -126.2,-10.85 -125.75,-10.85 -125.3,-10.85 -124.85,-10.85 -124.4,-10.85 -123.95,-10.85 -122.15,-10.85 -121.7,-10.85 -121.25,-10.85 -120.8,-10.85 -120.35,-10.85 -119.9,-10.85 -119.45,-10.85 -119,-10.85 -118.55,-10.85 -118.1,-10.85 -117.65,-10.85 -117.2,-10.85 -116.75,-10.85 -116.3,-10.85 -115.85,-10.85 -115.4,-10.85 -114.95,-10.85 -114.5,-10.85 -114.05,-10.85 -113.6,-10.85 -113.15,-10.85 -112.7,-10.85 -112.25,-10.85 -111.8,-10.85 -111.35,-10.85 -110,-10.85 -109.55,-10.85 -109.1,-10.85 -108.65,-10.85 -108.2,-10.85 -107.75,-10.85 -107.3,-10.85 -106.85,-10.85 -106.4,-10.85 -105.95,-10.85 -105.5,-10.85 -105.05,-10.85 -104.6,-10.85 -104.15,-10.85 -103.7,-10.85 -103.25,-10.85 -102.8,-10.85 -102.35,-10.85 -101.9,-10.85 -129.575,-10.4 -129.125,-10.4 -128.675,-10.4 -128.225,-10.4 -127.775,-10.4 -127.325,-10.4 -126.875,-10.4 -126.425,-10.4 -125.975,-10.4 -125.525,-10.4 -125.075,-10.4 -124.625,-10.4 -124.175,-10.4 -123.725,-10.4 -121.925,-10.4 -121.475,-10.4 -121.025,-10.4 -120.575,-10.4 -120.125,-10.4 -119.675,-10.4 -119.225,-10.4 -118.775,-10.4 -118.325,-10.4 -117.875,-10.4 -117.425,-10.4 -116.975,-10.4 -116.525,-10.4 -116.075,-10.4 -115.625,-10.4 -115.175,-10.4 -114.725,-10.4 -114.275,-10.4 -113.825,-10.4 -113.375,-10.4 -112.925,-10.4 -112.475,-10.4 -112.025,-10.4 -111.575,-10.4 -110.225,-10.4 -109.775,-10.4 -109.325,-10.4 -108.875,-10.4 -108.425,-10.4 -107.975,-10.4 -107.525,-10.4 -107.075,-10.4 -106.625,-10.4 -106.175,-10.4 -105.725,-10.4 -105.275,-10.4 -104.825,-10.4 -104.375,-10.4 -103.925,-10.4 -103.475,-10.4 -103.025,-10.4 -102.575,-10.4 -102.125,-10.4 -101.675,-10.4 -143.75,-9.95 -129.8,-9.95 -129.35,-9.95 -128.9,-9.95 -128.45,-9.95 -128,-9.95 -127.55,-9.95 -127.1,-9.95 -126.65,-9.95 -126.2,-9.95 -125.75,-9.95 -125.3,-9.95 -124.85,-9.95 -124.4,-9.95 -123.95,-9.95 -122.15,-9.95 -121.7,-9.95 -121.25,-9.95 -120.8,-9.95 -120.35,-9.95 -119.9,-9.95 -119.45,-9.95 -119,-9.95 -118.55,-9.95 -118.1,-9.95 -117.65,-9.95 -117.2,-9.95 -116.75,-9.95 -116.3,-9.95 -115.85,-9.95 -115.4,-9.95 -114.95,-9.95 -114.5,-9.95 -114.05,-9.95 -113.6,-9.95 -113.15,-9.95 -112.7,-9.95 -111.35,-9.95 -109.1,-9.95 -108.65,-9.95 -108.2,-9.95 -107.75,-9.95 -107.3,-9.95 -106.85,-9.95 -106.4,-9.95 -105.95,-9.95 -105.5,-9.95 -105.05,-9.95 -104.6,-9.95 -104.15,-9.95 -103.7,-9.95 -103.25,-9.95 -102.8,-9.95 -102.35,-9.95 -101.9,-9.95 -140.375,-9.5 -129.575,-9.5 -129.125,-9.5 -128.675,-9.5 -128.225,-9.5 -127.775,-9.5 -127.325,-9.5 -126.875,-9.5 -126.425,-9.5 -125.975,-9.5 -125.525,-9.5 -125.075,-9.5 -124.625,-9.5 -124.175,-9.5 -123.725,-9.5 -121.925,-9.5 -121.475,-9.5 -121.025,-9.5 -120.575,-9.5 -120.125,-9.5 -119.675,-9.5 -119.225,-9.5 -118.775,-9.5 -118.325,-9.5 -117.875,-9.5 -117.425,-9.5 -116.975,-9.5 -116.525,-9.5 -116.075,-9.5 -115.625,-9.5 -115.175,-9.5 -114.725,-9.5 -114.275,-9.5 -113.825,-9.5 -113.375,-9.5 -108.425,-9.5 -107.975,-9.5 -107.525,-9.5 -107.075,-9.5 -106.625,-9.5 -106.175,-9.5 -105.725,-9.5 -105.275,-9.5 -104.825,-9.5 -104.375,-9.5 -103.925,-9.5 -103.475,-9.5 -103.025,-9.5 -102.575,-9.5 -102.125,-9.5 -101.675,-9.5 -143.75,-9.05 -140.6,-9.05 -140.15,-9.05 -129.8,-9.05 -129.35,-9.05 -128.9,-9.05 -128.45,-9.05 -128,-9.05 -127.55,-9.05 -127.1,-9.05 -126.65,-9.05 -126.2,-9.05 -125.75,-9.05 -125.3,-9.05 -124.85,-9.05 -124.4,-9.05 -123.95,-9.05 -122.15,-9.05 -121.7,-9.05 -121.25,-9.05 -120.8,-9.05 -120.35,-9.05 -119.9,-9.05 -119.45,-9.05 -119,-9.05 -118.55,-9.05 -118.1,-9.05 -117.65,-9.05 -117.2,-9.05 -116.75,-9.05 -116.3,-9.05 -115.85,-9.05 -115.4,-9.05 -114.95,-9.05 -114.5,-9.05 -114.05,-9.05 -113.6,-9.05 -108.2,-9.05 -107.75,-9.05 -107.3,-9.05 -106.85,-9.05 -106.4,-9.05 -105.95,-9.05 -105.5,-9.05 -105.05,-9.05 -104.6,-9.05 -104.15,-9.05 -103.7,-9.05 -103.25,-9.05 -102.8,-9.05 -102.35,-9.05 -101.9,-9.05 -143.525,-8.6 -143.075,-8.6 -141.275,-8.6 -140.825,-8.6 -140.375,-8.6 -129.575,-8.6 -129.125,-8.6 -128.675,-8.6 -128.225,-8.6 -127.775,-8.6 -127.325,-8.6 -126.875,-8.6 -126.425,-8.6 -125.975,-8.6 -125.525,-8.6 -125.075,-8.6 -124.625,-8.6 -124.175,-8.6 -123.725,-8.6 -121.925,-8.6 -121.475,-8.6 -121.025,-8.6 -120.575,-8.6 -120.125,-8.6 -119.675,-8.6 -119.225,-8.6 -118.775,-8.6 -118.325,-8.6 -117.875,-8.6 -117.425,-8.6 -116.975,-8.6 -116.525,-8.6 -116.075,-8.6 -115.625,-8.6 -115.175,-8.6 -114.725,-8.6 -114.275,-8.6 -113.825,-8.6 -143.75,-8.15 -143.3,-8.15 -142.85,-8.15 -141.5,-8.15 -141.05,-8.15 -140.6,-8.15 -140.15,-8.15 -129.8,-8.15 -129.35,-8.15 -128.9,-8.15 -128.45,-8.15 -128,-8.15 -127.55,-8.15 -127.1,-8.15 -126.65,-8.15 -126.2,-8.15 -125.75,-8.15 -125.3,-8.15 -124.85,-8.15 -124.4,-8.15 -123.95,-8.15 -122.15,-8.15 -121.7,-8.15 -121.25,-8.15 -120.8,-8.15 -120.35,-8.15 -119.9,-8.15 -119.45,-8.15 -119,-8.15 -118.55,-8.15 -118.1,-8.15 -117.65,-8.15 -117.2,-8.15 -116.75,-8.15 -116.3,-8.15 -115.85,-8.15 -115.4,-8.15 -114.95,-8.15 -114.5,-8.15 -114.05,-8.15 -143.525,-7.7 -143.075,-7.7 -141.275,-7.7 -140.825,-7.7 -140.375,-7.7 -139.925,-7.7 -129.575,-7.7 -129.125,-7.7 -128.675,-7.7 -128.225,-7.7 -127.775,-7.7 -127.325,-7.7 -126.875,-7.7 -126.425,-7.7 -125.975,-7.7 -125.525,-7.7 -125.075,-7.7 -124.625,-7.7 -124.175,-7.7 -123.725,-7.7 -121.925,-7.7 -121.475,-7.7 -121.025,-7.7 -120.575,-7.7 -120.125,-7.7 -119.675,-7.7 -119.225,-7.7 -118.775,-7.7 -118.325,-7.7 -117.875,-7.7 -117.425,-7.7 -116.975,-7.7 -116.525,-7.7 -116.075,-7.7 -115.625,-7.7 -115.175,-7.7 -114.725,-7.7 -114.275,-7.7 -113.825,-7.7 -107.975,-7.7 -107.525,-7.7 -107.075,-7.7 -106.625,-7.7 -106.175,-7.7 -105.725,-7.7 -105.275,-7.7 -104.825,-7.7 -104.375,-7.7 -103.925,-7.7 -103.475,-7.7 -103.025,-7.7 -102.575,-7.7 -102.125,-7.7 -101.675,-7.7 -143.75,-7.25 -143.3,-7.25 -142.85,-7.25 -141.5,-7.25 -141.05,-7.25 -140.6,-7.25 -140.15,-7.25 -139.7,-7.25 -129.8,-7.25 -129.35,-7.25 -128.9,-7.25 -128.45,-7.25 -128,-7.25 -127.55,-7.25 -127.1,-7.25 -126.65,-7.25 -126.2,-7.25 -125.75,-7.25 -125.3,-7.25 -124.85,-7.25 -124.4,-7.25 -123.95,-7.25 -122.15,-7.25 -121.7,-7.25 -121.25,-7.25 -120.8,-7.25 -120.35,-7.25 -119.9,-7.25 -119.45,-7.25 -119,-7.25 -118.55,-7.25 -118.1,-7.25 -117.65,-7.25 -117.2,-7.25 -116.75,-7.25 -116.3,-7.25 -115.85,-7.25 -115.4,-7.25 -114.95,-7.25 -114.5,-7.25 -114.05,-7.25 -113.6,-7.25 -108.2,-7.25 -107.75,-7.25 -107.3,-7.25 -106.85,-7.25 -106.4,-7.25 -105.95,-7.25 -105.5,-7.25 -105.05,-7.25 -104.6,-7.25 -104.15,-7.25 -103.7,-7.25 -103.25,-7.25 -102.8,-7.25 -102.35,-7.25 -101.9,-7.25 -143.525,-6.8 -143.075,-6.8 -141.275,-6.8 -140.825,-6.8 -140.375,-6.8 -139.925,-6.8 -129.575,-6.8 -129.125,-6.8 -128.675,-6.8 -128.225,-6.8 -127.775,-6.8 -127.325,-6.8 -126.875,-6.8 -126.425,-6.8 -125.975,-6.8 -125.525,-6.8 -125.075,-6.8 -124.625,-6.8 -124.175,-6.8 -123.725,-6.8 -121.925,-6.8 -121.475,-6.8 -121.025,-6.8 -120.575,-6.8 -120.125,-6.8 -119.675,-6.8 -119.225,-6.8 -118.775,-6.8 -118.325,-6.8 -117.875,-6.8 -117.425,-6.8 -116.975,-6.8 -116.525,-6.8 -116.075,-6.8 -115.625,-6.8 -115.175,-6.8 -114.725,-6.8 -114.275,-6.8 -113.825,-6.8 -113.375,-6.8 -112.925,-6.8 -108.875,-6.8 -108.425,-6.8 -107.975,-6.8 -107.525,-6.8 -107.075,-6.8 -106.625,-6.8 -106.175,-6.8 -105.725,-6.8 -105.275,-6.8 -104.825,-6.8 -104.375,-6.8 -103.925,-6.8 -103.475,-6.8 -103.025,-6.8 -102.575,-6.8 -102.125,-6.8 -101.675,-6.8 -143.75,-6.35 -143.3,-6.35 -142.85,-6.35 -141.5,-6.35 -141.05,-6.35 -140.6,-6.35 -140.15,-6.35 -139.7,-6.35 -129.8,-6.35 -129.35,-6.35 -128.9,-6.35 -128.45,-6.35 -128,-6.35 -127.55,-6.35 -127.1,-6.35 -126.65,-6.35 -126.2,-6.35 -125.75,-6.35 -125.3,-6.35 -124.85,-6.35 -124.4,-6.35 -123.95,-6.35 -122.15,-6.35 -121.7,-6.35 -121.25,-6.35 -120.8,-6.35 -120.35,-6.35 -119.9,-6.35 -119.45,-6.35 -119,-6.35 -118.55,-6.35 -118.1,-6.35 -117.65,-6.35 -117.2,-6.35 -116.75,-6.35 -116.3,-6.35 -115.85,-6.35 -115.4,-6.35 -114.95,-6.35 -114.5,-6.35 -114.05,-6.35 -113.6,-6.35 -113.15,-6.35 -112.7,-6.35 -111.35,-6.35 -109.1,-6.35 -108.65,-6.35 -108.2,-6.35 -107.75,-6.35 -107.3,-6.35 -106.85,-6.35 -106.4,-6.35 -105.95,-6.35 -105.5,-6.35 -105.05,-6.35 -104.6,-6.35 -104.15,-6.35 -103.7,-6.35 -103.25,-6.35 -102.8,-6.35 -102.35,-6.35 -101.9,-6.35 -143.525,-5.9 -140.375,-5.9 -139.925,-5.9 -129.575,-5.9 -129.125,-5.9 -128.675,-5.9 -128.225,-5.9 -127.775,-5.9 -127.325,-5.9 -126.875,-5.9 -126.425,-5.9 -125.975,-5.9 -125.525,-5.9 -125.075,-5.9 -124.625,-5.9 -124.175,-5.9 -123.725,-5.9 -121.925,-5.9 -121.475,-5.9 -121.025,-5.9 -120.575,-5.9 -120.125,-5.9 -119.675,-5.9 -119.225,-5.9 -118.775,-5.9 -118.325,-5.9 -117.875,-5.9 -117.425,-5.9 -116.975,-5.9 -116.525,-5.9 -116.075,-5.9 -115.625,-5.9 -115.175,-5.9 -114.725,-5.9 -114.275,-5.9 -113.825,-5.9 -113.375,-5.9 -112.925,-5.9 -112.475,-5.9 -109.325,-5.9 -108.875,-5.9 -108.425,-5.9 -107.975,-5.9 -107.525,-5.9 -107.075,-5.9 -106.625,-5.9 -106.175,-5.9 -105.725,-5.9 -105.275,-5.9 -104.825,-5.9 -104.375,-5.9 -103.925,-5.9 -103.475,-5.9 -103.025,-5.9 -102.575,-5.9 -102.125,-5.9 -101.675,-5.9 -143.75,-5.45 -140.6,-5.45 -140.15,-5.45 -139.7,-5.45 -129.8,-5.45 -129.35,-5.45 -128.9,-5.45 -128.45,-5.45 -128,-5.45 -127.55,-5.45 -127.1,-5.45 -126.65,-5.45 -126.2,-5.45 -125.75,-5.45 -125.3,-5.45 -124.85,-5.45 -124.4,-5.45 -123.95,-5.45 -122.15,-5.45 -121.7,-5.45 -121.25,-5.45 -120.8,-5.45 -120.35,-5.45 -119.9,-5.45 -119.45,-5.45 -119,-5.45 -118.55,-5.45 -118.1,-5.45 -117.65,-5.45 -117.2,-5.45 -116.75,-5.45 -116.3,-5.45 -115.85,-5.45 -115.4,-5.45 -114.95,-5.45 -114.5,-5.45 -114.05,-5.45 -113.6,-5.45 -113.15,-5.45 -112.7,-5.45 -111.35,-5.45 -109.1,-5.45 -108.65,-5.45 -108.2,-5.45 -107.75,-5.45 -107.3,-5.45 -106.85,-5.45 -106.4,-5.45 -105.95,-5.45 -105.5,-5.45 -105.05,-5.45 -104.6,-5.45 -104.15,-5.45 -103.7,-5.45 -103.25,-5.45 -102.8,-5.45 -102.35,-5.45 -101.9,-5.45 -140.375,-5 -139.925,-5 -129.575,-5 -129.125,-5 -128.675,-5 -121.925,-5 -121.475,-5 -121.025,-5 -120.575,-5 -120.125,-5 -119.675,-5 -119.225,-5 -118.775,-5 -118.325,-5 -117.875,-5 -117.425,-5 -116.975,-5 -116.525,-5 -116.075,-5 -115.625,-5 -115.175,-5 -114.725,-5 -114.275,-5 -113.825,-5 -113.375,-5 -112.925,-5 -112.475,-5 -109.325,-5 -108.875,-5 -108.425,-5 -107.975,-5 -107.525,-5 -107.075,-5 -106.625,-5 -106.175,-5 -105.725,-5 -105.275,-5 -104.825,-5 -104.375,-5 -103.925,-5 -103.475,-5 -103.025,-5 -102.575,-5 -102.125,-5 -101.675,-5 -143.75,-4.55 -140.6,-4.55 -140.15,-4.55 -139.7,-4.55 -129.8,-4.55 -129.35,-4.55 -128.9,-4.55 -122.15,-4.55 -121.7,-4.55 -121.25,-4.55 -120.8,-4.55 -120.35,-4.55 -119.9,-4.55 -119.45,-4.55 -119,-4.55 -118.55,-4.55 -118.1,-4.55 -117.65,-4.55 -117.2,-4.55 -116.75,-4.55 -116.3,-4.55 -115.85,-4.55 -115.4,-4.55 -114.95,-4.55 -114.5,-4.55 -114.05,-4.55 -113.6,-4.55 -113.15,-4.55 -112.7,-4.55 -111.35,-4.55 -109.1,-4.55 -108.65,-4.55 -108.2,-4.55 -107.75,-4.55 -107.3,-4.55 -106.85,-4.55 -106.4,-4.55 -105.95,-4.55 -105.5,-4.55 -105.05,-4.55 -104.6,-4.55 -104.15,-4.55 -103.7,-4.55 -103.25,-4.55 -102.8,-4.55 -102.35,-4.55 -101.9,-4.55 -143.525,-4.1 -143.075,-4.1 -142.625,-4.1 -142.175,-4.1 -140.375,-4.1 -139.925,-4.1 -123.725,-4.1 -123.275,-4.1 -121.925,-4.1 -121.475,-4.1 -121.025,-4.1 -120.575,-4.1 -120.125,-4.1 -119.675,-4.1 -119.225,-4.1 -118.775,-4.1 -118.325,-4.1 -117.875,-4.1 -117.425,-4.1 -116.975,-4.1 -116.525,-4.1 -116.075,-4.1 -115.625,-4.1 -115.175,-4.1 -109.325,-4.1 -108.875,-4.1 -108.425,-4.1 -107.975,-4.1 -107.525,-4.1 -107.075,-4.1 -106.625,-4.1 -106.175,-4.1 -105.725,-4.1 -105.275,-4.1 -104.825,-4.1 -104.375,-4.1 -103.925,-4.1 -103.475,-4.1 -103.025,-4.1 -102.575,-4.1 -102.125,-4.1 -101.675,-4.1